# Altium PCB SJ2088POE.PcbDoc (part 4 of 6) (continued)
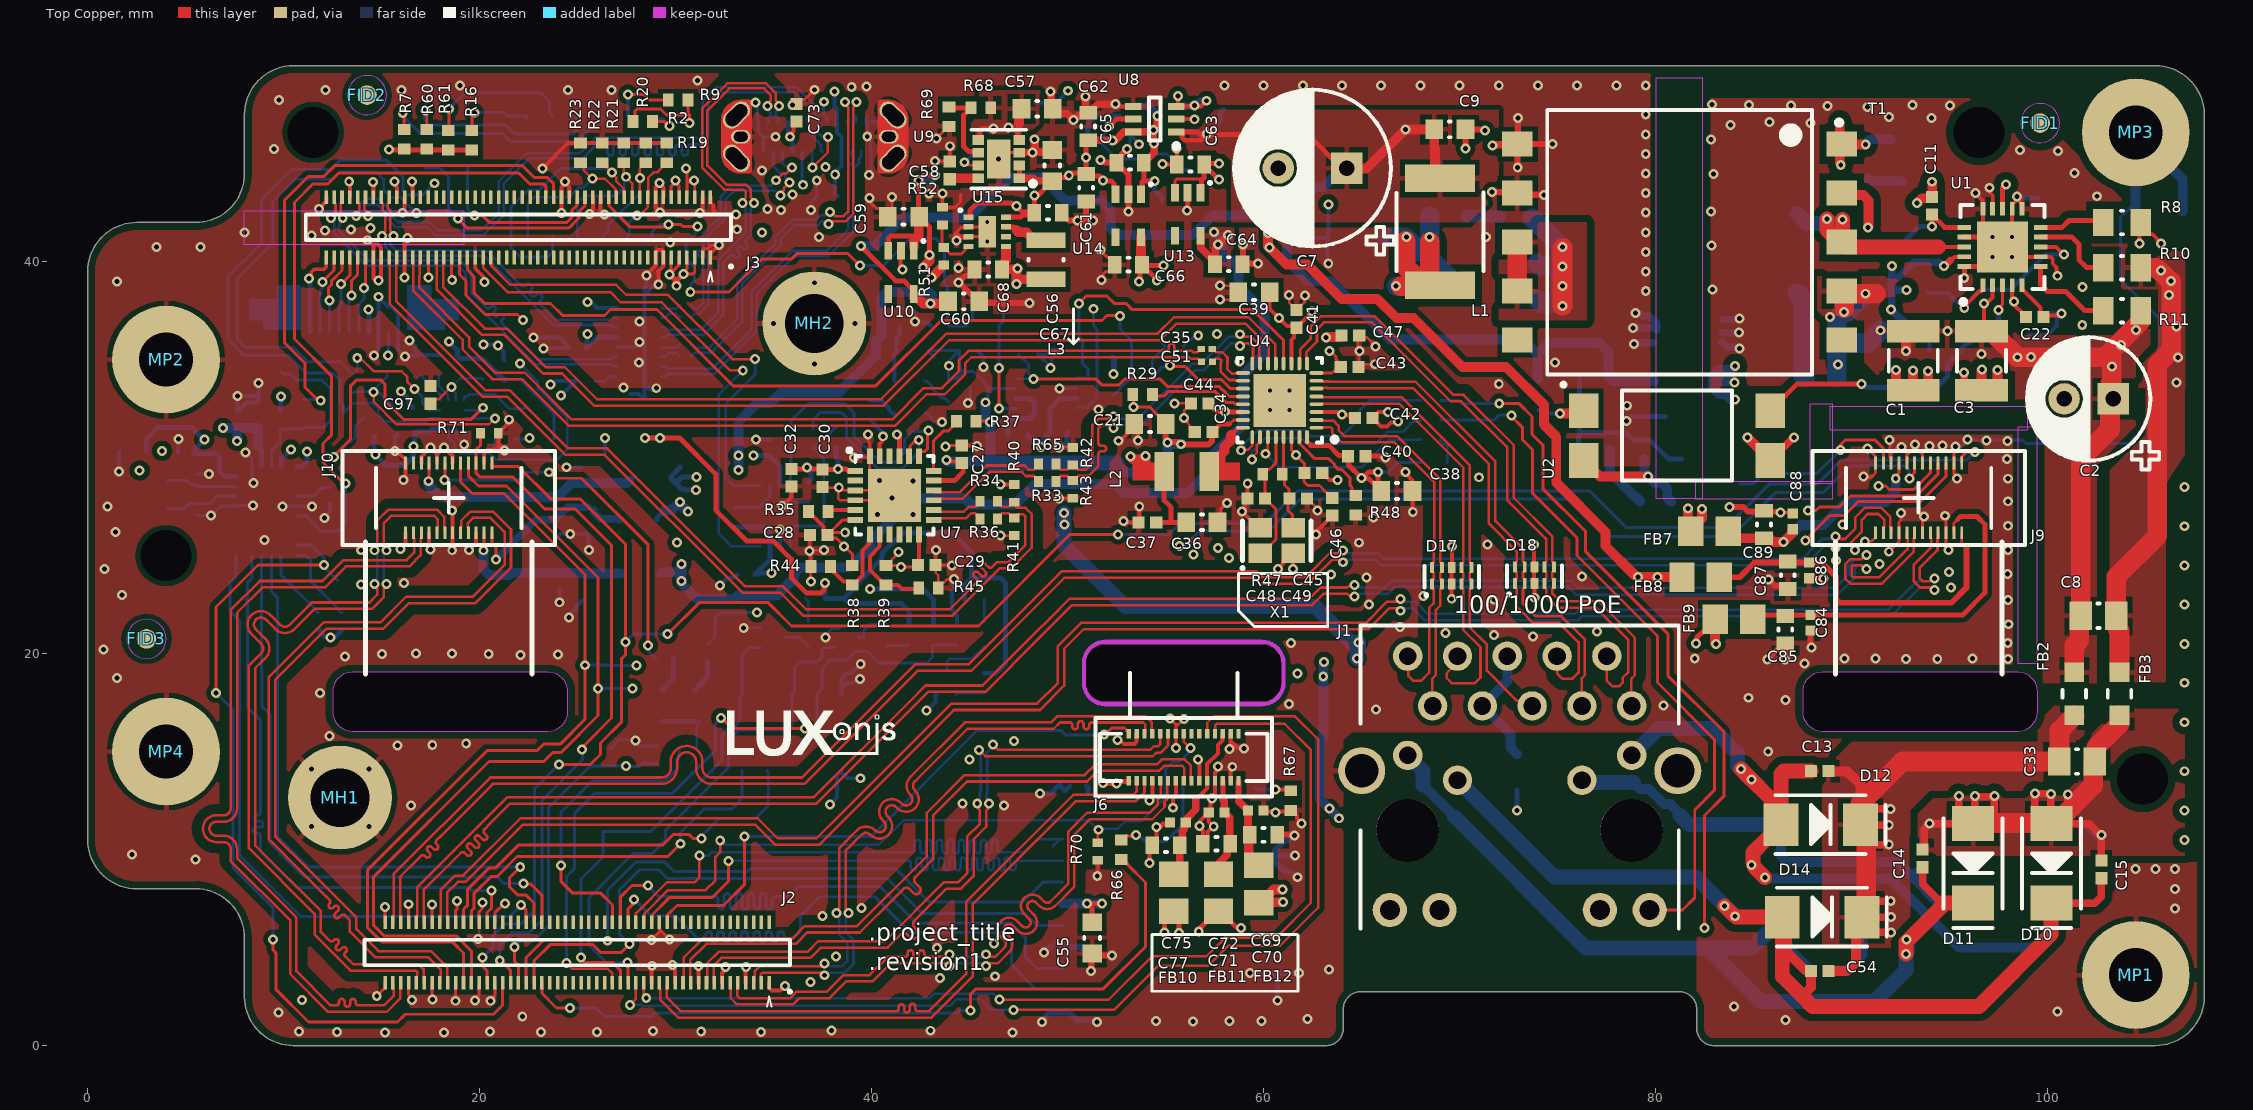
[diagram p0: Top Copper view]
## Nets (pads, with @x,y where several pads share a name; then routed paths per layer and width w, separated by ;. In a path a pad name is that pad's centre, name@x,y a point inside that pad or via, vN(x,y) a via of type N, cw(c..) or ccw(c..) an arc to the next point about the centre after c; other vN are vias at no path point) (continued)
  Bottom Copper w0.254: v1(48.59,12.858) 49.131,12.858 49.573,13.3 J7.14@49.873,13 J7.14@50.133,13.26 ; v1(49.553,30.527) 49.622,30.527 49.749,30.654 49.804,30.654 49.975,30.825 49.975,31.275 C52.1@50,31.3 ; 50.96,13.26 51.041,13.179 51.041,12.901 ; v1(72.939,12.001) C50.1@72.939,13.019 ; v1(78.525,31.875) 78.576,31.875 78.801,32.1 U5.3@80.5,32.1
  Bottom Copper w0.3: v1(48.7,1.2) 48.7,1.256 48.9,1.456 48.9,1.504 49.076,1.68 J7.13@50.098,1.68 50.471,1.307 51.337,1.307 51.444,1.2 v1(51.5,1.2) ; v1(48.803,4.761) 48.827,4.761 49.16,5.093 ; J7.6@49.486,5.302 J7.6@49.748,5.04 ; J7.6@49.742,5.034 J7.6@49.748,5.04 ; v1(51.2,3.8) 51.2,4.5 50.66,5.04 J7.6@49.748,5.04 ; v1(59.3,3.7) J7.12@60.573,3.7 ; v1(60.7,2.3) 60.7,3.573 J7.12@60.573,3.7 ; v1(61.578,10.713) 61.536,10.713 61.298,10.475 61.098,10.475 60.573,9.95 J7.11@60.573,9.675 ; v1(61.6,9.7) 60.598,9.7 J7.11@60.573,9.675 ; v1(61.725,8.591) 61.648,8.591 61.364,8.875 61.098,8.875 60.573,9.4 J7.11@60.573,9.675 ; v1(61.8,3.7) J7.12@60.573,3.7
  Bottom Copper w0.305: Q1.2@52.325,35.1 52.357,35.068 52.357,34.264 v1(52.35,34.258)
  Bottom Copper w0.381: v1@78.886,36.625 79.95,36.625 C25.2@80.05,36.525 80.05,36.85 79.665,37.235 79.34,37.235 79.2,37.375 v1@79.038,37.375 ; v1@79.04,35.866 C25.2@79.885,35.866
  Bottom Copper w0.508: 104.5,42.5 104.5,43.025 MP3.1@104.5,46.6 106.9,44.2 106.9,42.55
  other v1: 18.174,0.672 12.719,0.693 15.179,0.677 23.14,0.691 25.993,0.698 34.345,0.697 47.181,0.679 20.537,0.712 31.305,0.711 10.792,0.727 28.842,0.741 37.948,0.763 43.009,0.759 54.5,1.25 56.396,1.24 58.25,1.25 59.887,1.249 86.638,1.315 62.229,1.356 22.174,1.476 9.741,1.688 100.5,1.75 84,2 10.946,2.329 36.885,3.255 43.485,3.441 46.297,3.539 63.328,3.889 32.553,4.01 33.585,4.017 38.184,4.547 43.334,4.991 46.236,5.22 19.924,5.451 37.487,6.609 106.5,7 39.477,7.033 106.5,8 104.5,9 105.5,9 106.5,9 54.172,9.325 5.5,9.5 2.25,9.75 107,10.5 54.53,11.146 11.408,11.183 14.342,11.183 57.456,11.172 56.725,11.2 107,12 55.379,12.137 16.5,12.25 46.75,12.25 44.627,12.352 57.363,12.607 107,14 11.408,14.117 14.342,14.117 44.983,14.59 85.75,15 15.807,15.321 17.581,15.345 19.315,15.41 47.267,15.548 52.543,15.605 12.348,15.809 107,16.5 65.725,17.142 80.412,17.358 61.3,17.42 86.634,17.63 84.75,17.75 11.859,17.991 106.993,18.515 1.5,18.75 87.6,19.5 92.775,19.725 94.375,19.725 97.975,19.725 82,19.75 89.65,19.75 91.225,19.75 96.175,19.75 13.121,19.863 22.074,19.92 15.009,19.976 20.462,19.976 24.003,19.952 16.759,20.009 18.599,20.009 0.805,20.222 107,20.5 61.389,20.541 97.971,20.539 73.752,20.866 71.763,20.948 69.288,21.048 77.023,21.136 66.955,21.363 98,21.5 65.386,22.509 107,22.5 71.75,22.75 97.975,22.748 68.156,22.931 1.75,23 95.081,23.379 13.954,23.538 16.143,23.614 88.561,23.827 65.252,23.887 76.253,23.933 63.435,24.04 97.95,24.075 94.982,24.177 0.853,24.316 107,24.5 91.42,24.574 89.21,24.764 36.823,25.242 13.934,25.276 90.171,25.286 97.975,25.3 71.427,25.567 64.864,25.659 90.675,25.729 9.023,25.8 1.422,26.211 107,26.5 97.975,26.525 89.535,26.587 65.6,26.95 40.3,27.1 42.1,27.1 1,27.5 9.95,27.5 11.45,27.5 97.975,27.775 107,28.5 8.449,28.708 42.1,28.8 97.975,28.925 71,29 97.925,29.925 8.05,30.275 92.559,30.55 43.775,30.575 93.979,30.603 94.65,30.625 93.238,30.682 97.956,30.857 96.898,30.879 91.939,30.909 95.911,30.935 43.602,31.829 55.933,32.013 51.572,32.46 78.55,32.65 72,33.75 37.075,34.775 74.866,34.85 28.121,34.863 58.76,34.905 78.9,35.8 28.151,35.891 57.616,36.318 78.841,36.606 35,36.85 39.15,36.85 28.162,36.938 78.975,37.375 79.5,38.5 37.075,38.925 1.5,39 79.5,39.5 79.5,40.5 3.5,40.75 5.75,40.75 29.725,40.975 71.35,41.254 37.326,41.269 11.409,41.344 8,41.5 79.5,41.5 12.116,41.592 13.436,41.649 33.133,41.654 14.434,41.715 33.077,42.403 31.254,42.473 24.179,42.495 79.5,42.5 53.1,42.55 35.374,42.649 34.691,42.691 35.958,43.417 42.938,43.467 43.613,43.476 79.5,43.5 29.185,44.01 79.5,44.5 34.41,44.659 37.656,44.823 79.5,45.5 9.5,45.75 79.5,46.5 79.5,47.5 35.951,47.992 9.75,48.25 16,48.75 24.5,48.75 12.128,48.763 26.723,48.761 38.985,48.916 39.728,48.93 19,49 58,49 60,49 62,49 64,49 66,49 68,49 70,49 72,49 74,49 76,49 78,49 79.5,49 31.12,49.253
  other v2: 60.323,32.425 61.323,32.425 60.323,33.425 61.323,33.425 45.9,41.025 45.9,42.025
GPIO7/sd_hst_cd: J2.59 R66.2 | length 38.8
  Top Copper w0.152: J2.59@23.175,3.21 23.175,2.675 23.925,1.925 v1(24.6,1.925) ; v1(45.05,1.8) 45.05,2.625 45.325,2.9 51.825,2.9 53.975,5.05 53.975,8.325 53.049,9.251 53.049,9.301 52.85,9.5 R66.2@52.8,9.5
  Bottom Copper w0.152: v1(24.6,1.925) 25.95,1.925 26.4,1.475 28.775,1.475 28.97,1.67 44.379,1.67 44.509,1.8 v1(45.05,1.8)
GPIO58: J3.28 R27.1 R63.1 SW1.1 | length 31.4
  Top Copper w0.152: J3.28@26.575,43.29 26.589,43.276 26.589,42.861 27.687,41.763 v1@29.577,41.763 ; v1(29.627,41.9) 30.267,41.9 30.369,41.798 v1(31.105,41.798) ; v1(30.746,38.452) 32.727,38.452 34.419,40.144 35.919,40.144 36.2,40.425 38.775,40.425 v1(39.4,39.8)
  Bottom Copper w0.152: SW1.1@28.8,41.275 28.8,41.52 29.104,41.824 29.127,41.824 29.193,41.889 29.566,41.889 29.577,41.9 v1(29.627,41.9) ; v1(30.746,38.452) 30.757,38.463 30.757,38.819 30.95,39.012 30.95,39.746 30.525,40.171 30.525,40.906 30.975,41.356 30.975,41.572 31.105,41.702 v1(31.105,41.798) ; v1(39.4,39.8) 40.6,39.8 41.975,41.175 43.3,41.175 43.725,40.75 43.725,38.881 43.875,38.731 43.875,38.225 43.875,36.775 43.925,36.725 44.825,36.725 45.15,37.05 R27.1@45.15,37.734
HSO: R8.2 U1.10 | length 3.4
  Top Copper w0.254: U1.10@99.65,41.75 100.75,41.75 101.1,42.1 102.75,42.1 R8.2@102.85,42
I2C0_SCL: J3.34 TP1.1 | length 11.7
  Top Copper w0.152: v1(18.9,42.2) 18.9,42.175 19.367,41.708 24.541,41.708 25.073,42.24 25.073,42.545 25.367,42.839 25.367,43.282 J3.34@25.375,43.29
  Bottom Copper w0.152: TP1.1@17.2,44.782 TP1.1@17.2,44.775 17.975,44.775 18.4,44.35 18.4,42.7 ; 18.516,42.584 18.4,42.7 ; v1(18.9,42.2) 18.4,42.7
I2C0_SDA: J3.36 TP2.1 | length 9.1
  Top Copper w0.152: v1(19.737,42.348) 20.148,42.348 20.488,42.008 24.45,42.008 24.713,42.271 24.713,42.625 24.961,42.874 24.961,43.276 J3.36@24.975,43.29
  Bottom Copper w0.152: TP2.1@19.375,44.825 19.375,42.675 19.737,42.313 v1(19.737,42.348)
I2C1_SCL: J2.35 J6.20 | length 54.4
  Top Copper w0.127: v1(27.675,2.075) 27.975,2.375 J2.35@27.975,3.21 ; v1(47.25,1.825) 52.375,1.825 54.615,4.065 57.165,4.065 58.2,5.1 60.85,5.1 62.788,7.038 62.788,15.612 61.6,16.8 57.45,16.8 57.123,16.473 J6.20@57.123,15.912
  Bottom Copper w0.127: v1(27.675,2.075) 28.257,2.075 28.326,2.006 28.74,2.006 28.775,2.041 44.02,2.041 44.351,2.372 45.553,2.372 46.1,1.825 v1(47.25,1.825)
I2C1_SDA: J2.33 J6.19 | length 50.7
  Top Copper w0.127: J2.33@28.375,3.21 28.375,2.575 28.5,2.45 v1(28.5,2.425) ; v1(46.525,2.35) 52.1,2.35 54.3,4.55 57.075,4.55 58.025,5.5 60.625,5.5 62.415,7.29 62.415,15.085 61.075,16.425 57.597,16.425 57.523,16.351 J6.19@57.523,15.912
  Bottom Copper w0.127: v1(28.5,2.425) 42.954,2.425 43.182,2.654 46.221,2.654 v1(46.525,2.35)
I2C2_SCL: J2.77 J9.21 J10.21 | length 116.2
  Top Copper w0.152: J10.21@19.423,29.725 19.423,29.077 19.945,28.555 21.37,28.555 26.038,23.887 v1(26.038,18.225) 26.038,16.838 24.158,14.958 23.733,14.958 23.275,14.5 20.475,14.5 14.592,8.617 14.592,6.125 15.117,5.6 18.8,5.6 19.575,4.825 J2.77@19.575,3.21 ; v1(27.8,18.225) v1@27.825,18.225 ; v1@57.643,25.393 v1(57.675,25.393) ; v1(87.775,27.3) 88.187,27.3 88.367,27.479 89.375,27.479 89.943,28.047 93.297,28.047 94.423,29.173 J9.21@94.423,29.725
  Signal Layer 3 w0.152: v1@27.825,18.225 28.1,18.5 33.175,18.5 34.475,19.8 38.4,19.8 39.275,20.675 45.149,20.675 48.949,24.475 56.725,24.475 v1@57.643,25.393 ; v1@57.775,25.325 62.718,25.325 65.143,27.75 68.25,27.75 69.085,26.915 75.661,26.915 76.935,25.641 85.599,25.641 87.208,27.249 87.724,27.249 v1(87.775,27.3)
  Bottom Copper w0.152: v1(26.038,18.225) v1(27.8,18.225) ; v1(57.675,25.393) 57.707,25.393 v1@57.775,25.325
I2C2_SDA: J2.79 J9.20 J10.20 | length 116.1
  Top Copper w0.152: J10.20@19.023,29.725 19.023,28.777 19.625,28.175 21.242,28.175 25.375,24.042 v1(25.375,19.408) 25.375,16.65 24.106,15.381 23.256,15.381 22.925,15.05 20.375,15.05 14.27,8.945 14.27,6.032 15.027,5.275 18.625,5.275 19.175,4.725 J2.79@19.175,3.21 ; v1(91.386,28.558) 91.392,28.552 91.757,28.552 91.941,28.368 93.168,28.368 94.023,29.223 J9.20@94.023,29.725
  Signal Layer 3 w0.152: v1(28,19.4) 28.4,19 32.75,19 34.05,20.3 38.2,20.3 39.075,21.175 44.9,21.175 48.721,24.996 56.371,24.996 v1(56.425,25.05) 56.435,25.05 57.21,25.825 61.325,25.825 62.2,26.7 63.114,26.7 64.664,28.25 69.25,28.25 70,27.5 77.339,27.5 78.362,26.478 84.478,26.478 86.025,28.025 90.853,28.025 v1(91.386,28.558)
  Bottom Copper w0.152: v1(25.375,19.408) 25.378,19.411 26.515,19.411 26.526,19.4 v1(28,19.4) ; v1(56.425,25.05) v1@56.425,25.15
I2C3_SCL: J2.78 J5.2 | length 19
  Top Copper w0.152: J2.78@19.575,6.29 19.575,6.87 19.721,7.016 19.721,7.768 20.585,8.632 20.894,8.632 21.907,9.645 29.595,9.645 v1(30.25,10.3)
  Bottom Copper w0.152: v1(30.25,10.3) 30.25,10.875 31.45,12.075 32.875,12.075 33.25,12.45 33.25,12.5 33.395,12.645 J5.2@33.395,14.025
I2C3_SDA: J2.80 J5.4 | length 22.3
  Top Copper w0.152: J2.80@19.175,6.29 19.175,6.955 19.388,7.168 19.388,7.977 20.465,9.054 20.799,9.054 21.97,10.225 29.325,10.225 29.865,10.765 ; 30.094,10.765 29.865,10.765 ; v1@31.309,10.759 v1(31.309,10.577) 30.88,10.577 30.691,10.765 29.865,10.765
  Bottom Copper w0.152: v1(31.309,10.577) v1@31.309,10.668 ; v1@31.309,10.759 v1@31.309,10.668 ; 33.112,11.6 32.241,11.6 ; J5.4@34.665,14.025 34.725,13.965 34.725,12.25 34.075,11.6 32.241,11.6 ; v1@31.309,10.668 32.241,11.6
I2C4_SCL1_3v3: RZ2.2 U7.20 | length 9.9
  Top Copper w0.152: U7.20@41.913,30.077 41.958,30.122 41.958,30.6 42.271,30.913 v1(42.404,30.913)
  Bottom Copper w0.152: RZ2.2@37.014,31.475 37.014,31.939 37.375,32.3 38.45,32.3 38.725,32.025 38.725,31.025 40.325,29.425 41.55,29.425 42.404,30.279 v1(42.404,30.913)
I2C4_SCL_1V8: J3.59 U3.4 | length 27.2
  Top Copper w0.127: J3.59@20.175,40.21 20.175,39.7 21.425,38.45 26.669,38.45 27.188,37.932 29.282,37.932 32.764,34.45 v1(33.425,34.45)
  Bottom Copper w0.127: v1(33.425,34.45) 32.2,33.225 32.2,26.125 32.85,25.475 U3.4@34.323,25.475
I2C4_SCL_3v3: R26.2 RZ2.1 U3.1 | length 8.3
  Bottom Copper w0.152: U3.1@35.823,25.475 35.823,26.223 36.125,26.525 37.375,26.525 37.575,26.725 37.575,29.914 37.263,30.226 37.263,30.276 37.064,30.475 RZ2.1@37.014,30.475 37.213,30.674 37.324,30.674 37.926,31.276 37.926,31.326 38.125,31.525 R26.2@38.175,31.525
I2C4_SDA1_3v3: RZ1.2 U7.19 | length 12.4
  Top Copper w0.152: U7.19@42.413,30.077 42.413,30.229 42.487,30.302 42.702,30.302 42.85,30.45 42.85,31.217 v1@42.732,31.336
  Bottom Copper w0.152: RZ1.2@35.875,31.475 35.889,31.489 35.889,31.889 36.775,32.775 38.6,32.775 39.1,32.275 39.1,31.1 40.425,29.775 41.2,29.775 41.675,30.25 41.675,30.933 42.087,31.345 42.869,31.345 v1@42.878,31.336
  other v1: 42.903,31.386
I2C4_SDA_1V8: J3.57 U3.5 | length 24.5
  Top Copper w0.127: J3.57@20.575,40.21 20.598,40.187 20.598,39.777 21.55,38.825 26.96,38.825 27.478,38.307 29.613,38.307 32.894,35.025 v1(34.05,35.025)
  Bottom Copper w0.127: v1(34.05,35.025) 34.05,34.238 32.55,32.738 32.55,28.975 32.95,28.575 U3.5@34.323,28.575
I2C4_SDA_3v3: R25.2 RZ1.1 U3.8 | length 3.6
  Bottom Copper w0.152: RZ1.1@35.887,30.463 RZ1.1@35.875,30.475 35.875,29.425 35.85,29.4 35.85,28.602 U3.8@35.823,28.575 35.823,27.902 36,27.725 R25.2@36.775,27.725
ISNS: R13.1 TP10.1 U1.1 U1.8 | length 11.4
  Top Copper w0.203: v1(95.752,37.627) 95.752,37.716 96.508,38.471 96.596,38.471 96.7,38.575 U1.1@96.7,38.8 U1.1@96.677,38.777 ; U1.8@99.65,40.75 100.436,40.75 100.819,40.366 v1(100.836,40.366)
  Bottom Copper w0.203: R13.1@93.889,38.391 94.924,38.391 95.688,37.627 96.151,38.09 96.151,38.114 96.62,38.584 98.109,38.584 99.887,40.362 100.831,40.362 v1(100.836,40.366)
LED0_10_GRN: R57.1 U4.27 | length 9.7
  Top Copper w0.127: v1(60.1,30.2) 60.1,30.303 60.223,30.426 U4.27@60.223,31.05 ; v1@60.223,30.193 v1@60.223,30.2
  Bottom Copper w0.127: v1(60.1,30.2) 60.8,29.5 65,29.5 66.425,30.925 R57.1@68.025,30.925
LED0_10_GRN1: D16.1 R57.2 | length 1.3
  Bottom Copper w0.13: R57.2@69.025,30.925 69.025,30.875 69.235,30.665 69.285,30.665 69.375,30.575 D16.1@69.375,29.75
LED1_100_OR: R58.1 U4.26 | length 11.3
  Top Copper w0.127: v1(59.4,29.9) 59.4,30 59.652,30.252 59.652,30.654 59.761,30.763 59.767,30.763 59.823,30.82 U4.26@59.823,31.05
  Bottom Copper w0.127: v1(59.4,29.9) 59.4,30.3 60.1,31 61.9,31 62.2,30.7 65.7,30.7 66.312,31.312 67.112,31.312 67.634,31.834 67.934,31.834 R58.1@68.025,31.925
LED1_100_OR1: J1.18 R58.2 | length 35.6
  Top Copper w0.152: v1(72.65,32.15) 72.65,32.1 73.2,31.55 73.2,30.925 73.725,30.4 73.725,28.179 75.995,25.908 75.995,25.005 77.979,23.021 80.1,20.9 80.1,18.525 83,15.625 83,13.025 82,12.025 82,7.55 81.371,6.921 J1.18@79.7,6.921
  Bottom Copper w0.152: R58.2@69.025,31.925 71.775,31.925 72.025,32.175 72.625,32.175 v1(72.65,32.15)
LED2_1000_GRN: R59.1 U4.25 | length 12
  Top Copper w0.127: v1(58.847,30.378) 58.974,30.378 58.998,30.402 59,30.4 59.2,30.4 59.423,30.623 U4.25@59.423,31.05
  Bottom Copper w0.127: v1(58.847,30.378) 58.97,30.378 59.035,30.443 59.035,30.735 59.7,31.4 62.1,31.4 62.4,31.1 64,31.1 64.9,32 64.9,32.4 65.425,32.925 66.525,32.925 R59.1@68.025,32.925
LED2_1000_GRN1: J1.16 R59.2 | length 50.3
  Top Copper w0.152: v1(72.025,32.775) 73.025,32.775 73.702,32.098 73.702,31.198 74.25,30.65 74.25,28.416 76.432,26.234 76.432,25.202 80.625,21.009 80.625,18.875 83.504,15.996 83.504,12.743 82.5,11.739 v1(82.5,6)
  Signal Layer 2 w0.254: J1.16@68.98,6.921 72.079,6.921 74,5 81.5,5 v1(82.5,6)
  Bottom Copper w0.152: R59.2@69.025,32.925 69.953,32.925 70.103,32.775 v1(72.025,32.775)
MD1_N: D17.2 D17.9 J1.2 U4.2 | length 19.6
  Top Copper w0.13: U4.2@62.698,31.925 62.967,31.925 63.005,31.887 63.558,31.887 63.825,31.621 63.825,31.399 64.123,31.1 66.809,31.1 69.025,28.885 69.025,25.629 69.012,25.616 69.012,24.663 69.1,24.575 D17.9@69.1,24.392 69.1,24.21 69.012,24.122 69.012,23.828 69.1,23.74 D17.2@69.1,23.557 69.1,23.375 69.012,23.287 69.012,22.444 68.778,22.21 68.778,18.897 68.607,18.726 68.607,17.349 J1.2@68.625,17.331
MD1_P: D17.1 D17.10 J1.1 U4.1 | length 19.5
  Top Copper w0.13: U4.1@62.698,31.525 62.967,31.525 63.005,31.563 63.424,31.563 63.5,31.487 63.5,31.264 63.989,30.775 66.675,30.775 68.7,28.75 68.7,25.763 68.688,25.751 68.688,24.663 68.6,24.575 D17.10@68.6,24.392 68.6,24.21 68.688,24.122 68.688,23.828 68.6,23.74 D17.1@68.6,23.557 68.6,23.375 68.688,23.287 68.688,22.578 68.453,22.344 68.453,19.031 68.031,18.609 67.653,18.609 67.373,18.889 67.373,19.715 J1.1@67.355,19.733
MD2_N: D17.5 D17.6 J1.6 U4.5 | length 23.3
  Top Copper w0.13: U4.5@62.698,33.125 62.967,33.125 63.005,33.087 67.047,33.087 70.512,29.622 70.512,24.663 70.6,24.575 D17.6@70.6,24.392 70.6,24.21 70.512,24.122 70.512,23.828 70.6,23.74 D17.5@70.6,23.557 70.6,23.375 70.512,23.287 70.512,21.346 71.393,20.465 71.393,19.132 72.932,17.593 73.442,17.593 J1.6@73.705,17.331
MD2_P: D17.4 D17.7 J1.3 U4.4 | length 23.4
  Top Copper w0.13: U4.4@62.698,32.725 62.967,32.725 63.005,32.763 66.912,32.763 67.05,32.625 70.188,29.487 70.188,24.663 70.1,24.575 D17.7@70.1,24.392 70.1,24.21 70.188,24.122 70.188,23.828 70.1,23.74 D17.4@70.1,23.557 70.1,23.375 70.188,23.287 70.188,21.211 71.068,20.331 71.068,18.793 70.763,18.488 69.613,18.488 69.345,18.755 69.345,19.008 69.895,19.558 J1.3@69.895,19.871
MD3_N: D18.2 D18.9 J1.8 U4.7 | length 26.2
  Top Copper w0.13: U4.7@62.698,33.925 62.967,33.925 63.005,33.887 63.377,33.887 63.39,33.875 67.759,33.875 71.825,29.809 71.825,26.769 73.237,25.357 73.237,24.695 73.325,24.608 D18.9@73.325,24.425 73.325,24.242 73.237,24.155 73.237,23.86 73.325,23.773 D18.2@73.325,23.59 73.325,23.407 73.237,23.32 73.237,22.547 73.885,21.899 ; 73.885,21.899 74.94,21.899 75.209,21.9 76.398,20.711 76.398,18.897 76.227,18.726 76.227,17.349 J1.8@76.245,17.331
MD3_P: D18.1 D18.10 J1.7 U4.6 | length 26.1
  Top Copper w0.13: U4.6@62.698,33.525 62.967,33.525 63.005,33.563 63.243,33.563 63.255,33.55 67.625,33.55 71.5,29.675 71.5,26.635 72.913,25.222 72.913,24.695 72.825,24.608 D18.10@72.825,24.425 72.825,24.242 72.913,24.155 72.913,23.86 72.825,23.773 D18.1@72.825,23.59 72.825,23.407 72.913,23.32 72.913,22.412 73.121,22.204 73.751,21.574 75.075,21.575 76.073,20.577 76.073,19.031 75.767,18.725 75.233,18.725 74.975,18.984 J1.7@74.975,19.871
MD4_N: D18.5 D18.6 J1.10 U4.10 | length 32.7
  Top Copper w0.13: U4.10@61.823,34.8 61.823,35.069 61.861,35.107 61.861,35.524 62.4,36.063 62.4,36.684 62.94,37.225 65.659,37.225 69.684,33.2 70.209,33.2 72.765,30.644 72.765,27.956 74.737,25.984 74.737,24.695 74.825,24.608 D18.6@74.825,24.425 74.825,24.242 74.737,24.155 74.737,23.86 74.825,23.773 D18.5@74.825,23.59 74.825,23.407 74.737,23.32 74.737,23.059 75.123,22.674 77.085,22.674 78.938,20.821 78.938,18.897 78.767,18.726 78.767,17.349 J1.10@78.785,17.331
MD4_P: D18.4 D18.7 J1.9 U4.9 | length 32.7
  Top Copper w0.13: U4.9@62.223,34.8 62.223,35.069 62.185,35.107 62.185,35.389 62.725,35.928 62.725,36.55 63.075,36.9 65.525,36.9 66.275,36.15 67.25,35.175 67.479,34.946 69.55,32.875 70.075,32.875 72.441,30.51 72.441,27.822 74.413,25.85 74.413,24.695 74.325,24.608 D18.7@74.325,24.425 74.325,24.242 74.413,24.155 74.413,23.86 74.325,23.773 D18.4@74.325,23.59 74.325,23.407 74.413,23.32 74.413,22.925 74.988,22.349 76.951,22.349 77.15,22.15 78.613,20.687 78.613,19.07 78.325,18.782 78.325,18.525 78.125,18.325 77.8,18.325 77.515,18.61 J1.9@77.515,19.871
MIPI_RX2_C_N: J2.95 J10.11 | length 40.9
  Top Copper w0.13: J2.95@15.975,3.21 15.95,3.185 15.95,2.875 15.937,2.862 15.937,2.403 15.26,1.725 12.265,1.725 10.325,3.665 10.325,6.4 7.297,9.428 7.297,9.802 7.297,10.029 ccw(c6.94,10.029) 6.94,10.387 6.561,10.387 cw(c6.561,11.068) 5.879,11.068 cw(c6.561,11.068) 6.561,11.75 6.94,11.75 ccw(c6.94,12.108) 7.297,12.108 7.297,13.375 7.297,22.221 8.782,23.707 11.976,23.707 12.317,24.048 13.044,24.775 16.275,24.775 16.661,25.161 16.661,25.887 16.623,25.925 J10.11@16.623,26.175
MIPI_RX2_C_P: J2.97 J10.10 | length 40.8
  Top Copper w0.13: J2.97@15.575,3.21 15.6,3.185 15.6,2.875 15.613,2.862 15.613,2.538 15.125,2.05 14.165,2.05 13.816,2.05 cw(c13.816,2.192) 13.674,2.192 13.674,2.239 ccw(c13.532,2.239) 13.532,2.381 ccw(c13.532,2.239) 13.39,2.239 13.39,2.124 cw(c13.248,2.124) 13.248,1.982 cw(c13.248,2.124) 13.106,2.124 13.106,2.239 ccw(c12.964,2.239) 12.964,2.381 ccw(c12.964,2.239) 12.822,2.239 12.822,2.192 cw(c12.68,2.192) 12.68,2.05 12.46,2.05 12.4,2.05 10.65,3.8 10.65,6.535 7.622,9.563 7.622,9.802 7.622,10.029 ccw(c6.94,10.029) 6.94,10.711 6.561,10.711 cw(c6.561,11.068) 6.204,11.068 cw(c6.561,11.068) 6.561,11.426 6.94,11.426 ccw(c6.94,12.108) 7.622,12.108 7.622,13.375 7.622,22.087 8.917,23.382 12.11,23.382 12.546,23.818 13.179,24.45 16.41,24.45 16.985,25.026 16.985,25.887 17.023,25.925 J10.10@17.023,26.175
MIPI_RX2_D0_N: J2.89 J10.8 | length 40.9
  Top Copper w0.13: 8.584,21.74 ccw(c8.837,21.488) 8.585,21.236 9.074,20.746 cw(c8.593,20.263) 9.075,19.781 ; 8.585,21.741 cw(c8.837,21.488) 9.09,21.741 ; 9.074,19.781 8.917,19.624 8.915,19.624 8.913,19.622 8.55,19.259 8.55,10.21 11.9,6.86 11.9,5.796 12.165,5.531 12.211,5.485 12.34,5.355 ccw(c12.441,5.456) 12.541,5.355 12.575,5.39 cw(c12.676,5.289) 12.776,5.39 cw(c12.676,5.289) 12.776,5.189 12.694,5.107 ccw(c12.794,5.006) 12.895,4.906 12.977,4.988 cw(c13.077,4.888) 13.178,4.787 13.143,4.753 ccw(c13.244,4.652) 13.143,4.552 13.344,4.351 13.39,4.305 13.539,4.156 16.871,4.156 17.137,3.89 17.137,3.558 17.15,3.545 17.15,3.235 J2.89@17.175,3.21 ; 9.09,21.74 9.58,21.251 ccw(c10.062,21.733) 10.544,21.251 11.419,22.126 ; 11.42,22.126 11.579,22.285 11.582,22.285 14.51,22.285 15.1,22.875 15.1,23.312 15.236,23.448 v1(15.236,23.55) ; v1(15.236,25.275) 15.236,25.289 15.1,25.425 15.1,26.65 15.475,27.025 17.686,27.025 17.861,26.85 17.861,26.695 17.861,26.463 17.823,26.425 J10.8@17.823,26.175
  Bottom Copper w0.13: v1(15.236,23.55) 15.236,23.652 15.1,23.788 15.1,25.037 15.236,25.173 v1(15.236,25.275)
MIPI_RX2_D0_P: J2.91 J10.7 | length 41
  Top Copper w0.13: 9.32,21.97 ccw(c8.837,21.488) 8.355,21.97 ccw(c8.837,21.488) 8.355,21.006 8.845,20.516 cw(c8.593,20.263) 8.845,20.01 8.783,19.949 8.78,19.949 8.683,19.851 8.225,19.394 8.225,10.075 11.575,6.725 11.575,5.661 13.405,3.831 16.736,3.831 16.813,3.755 16.813,3.558 16.8,3.545 16.8,3.235 J2.91@16.775,3.21 ; 9.32,21.97 9.809,21.481 ; 9.809,21.481 ccw(c10.062,21.733) 10.315,21.481 11.19,22.355 11.351,22.516 11.349,22.518 11.442,22.61 14.376,22.61 14.775,23.01 14.775,23.312 14.639,23.448 v1(14.639,23.55) ; v1(14.639,25.275) 14.639,25.289 14.775,25.425 14.775,26.785 15.34,27.35 17.82,27.35 18.185,26.985 18.185,26.83 18.185,26.463 18.223,26.425 J10.7@18.223,26.175
  Bottom Copper w0.13: v1(14.639,23.55) 14.639,23.652 14.775,23.788 14.775,25.037 14.639,25.173 v1(14.639,25.275)
MIPI_RX2_D1_N: J2.83 J10.5 | length 40.8
  Top Copper w0.13: J2.83@18.375,3.21 18.35,3.235 18.35,3.545 18.337,3.558 18.337,4.007 17.52,4.825 14.83,4.825 13.706,5.949 13.706,6.528 11.106,9.129 9.769,10.465 9.574,10.66 9.574,18.674 12.175,21.275 15.084,21.275 16.389,22.58 19.785,22.58 21.6,24.395 21.6,26.341 20.691,27.25 19.526,27.25 19.061,26.784 19.061,26.463 19.023,26.425 J10.5@19.023,26.175
MIPI_RX2_D1_P: J2.85 J10.4 | length 40.8
  Top Copper w0.13: 12.33,7.045 ccw(c12.43,7.145) 12.53,7.045 ; 12.33,7.045 cw(c12.43,7.145) 12.33,7.245 ccw(c12.23,7.345) 12.33,7.445 12.212,7.563 12.166,7.609 10.781,8.994 9.445,10.33 9.249,10.526 9.249,18.809 12.04,21.6 14.95,21.6 16.255,22.905 19.65,22.905 21.275,24.529 21.275,26.206 20.556,26.925 19.661,26.925 19.385,26.65 19.385,26.463 19.423,26.425 J10.4@19.423,26.175 ; 12.53,7.045 12.578,7.093 cw(c12.678,6.993) 12.778,7.093 cw(c12.678,6.993) 12.778,6.894 12.625,6.741 ccw(c12.725,6.641) 12.825,6.541 12.929,6.646 cw(c13.029,6.546) 13.129,6.646 13.175,6.6 13.381,6.394 13.381,5.815 14.696,4.5 17.385,4.5 18.013,3.873 18.013,3.558 18,3.545 18,3.235 J2.85@17.975,3.21
MIPI_RX3_C_N: J2.96 J9.11 | length 90.7
  Top Copper w0.13: J2.96@15.975,6.29 15.95,6.315 15.95,6.625 15.937,6.638 15.937,8.615 16.753,9.43 17,9.677 cw(c17.1,9.577) 17.2,9.677 17.238,9.64 ccw(c17.338,9.74) 17.439,9.841 17.353,9.926 cw(c17.454,10.026) 17.554,10.127 17.639,10.041 ccw(c17.74,10.142) 17.84,10.041 ccw(c17.74,10.142) 17.84,10.242 17.803,10.28 cw(c17.903,10.38) 17.803,10.48 18,10.678 20.677,13.355 29.037,13.355 29.264,13.355 ccw(c29.264,14.164) 30.073,14.164 30.073,14.484 cw(c30.557,14.484) 30.557,14.968 cw(c30.557,14.484) 31.041,14.484 31.041,14.164 ccw(c31.85,14.164) 31.85,13.355 33.763,13.355 36.58,13.355 41.316,18.091 42.35,19.125 45.085,19.125 49.83,23.87 59.495,23.87 59.791,23.575 62.284,23.575 62.379,23.67 62.609,23.9 63.509,24.8 ; 63.601,24.8 63.509,24.8 ; v1@63.948,24.664 63.812,24.8 63.509,24.8 ; v1(89.175,25.389) 89.277,25.389 89.413,25.525 89.81,25.525 90.525,26.24 90.525,26.825 90.825,27.125 91.375,27.125 91.661,26.839 91.661,26.463 91.623,26.425 J9.11@91.623,26.175
  Bottom Copper w0.13: v1(64.05,24.664) 64.152,24.664 64.288,24.8 65.025,24.8 65.7,24.8 65.75,24.75 65.993,24.507 87.62,24.507 88.327,25.214 88.637,25.525 88.937,25.525 89.073,25.389 v1(89.175,25.389)